# Allegro board SDHCalFEB.brd (continued)
## Routing (per net, layer and track width the routed paths; a pad name or vN(x,y) marks a point on that pad's centre or on a via; arc(x,y) is an arc through that point) (continued)
ESD_SIGNAL21_ASIC_D2: length 3.1
  TOP w0.127: U866.3 182.28,69.74 R1104.2 183.77,71.27 C1152.1
ESD_SIGNAL21_ASIC_D3: length 3.1
  TOP w0.127: C1239.1 103.76,71.32 R1187.2 102.27,69.79 U931.3
ESD_SIGNAL21_ASIC_D4: length 3.1
  TOP w0.127: C1326.1 30.88,69.52 R1270.2 29.4,67.98 U996.3
ESD_SIGNAL22_ASIC_A1: length 3.1
  TOP w0.127: C22.1 R22.2 320.68,314.42 320.68,314.42 U22.3
ESD_SIGNAL22_ASIC_A2: length 3.1
  TOP w0.127: R106.2 240.97,313.66 240.98,313.65 C109.1 241.58,314.29 241.56,314.3 U87.3
ESD_SIGNAL22_ASIC_A3: length 3.1
  TOP w0.127: U152.3 162.31,315.31 C196.1 162.3,313.72 R189.2
ESD_SIGNAL22_ASIC_A4: length 3
  TOP w0.127: R272.2 24.75,320.53 C283.1 25.51,319.05 25.51,319.05 U217.3
ESD_SIGNAL22_ASIC_B1: length 3.1
  TOP w0.127: C370.1 322.69,233.74 R355.2 321.21,235.33 U282.3
ESD_SIGNAL22_ASIC_B5: length 3.1
  TOP w0.127: U347.3 240.77,233.74 R439.2 242.25,233.74 C457.1
ESD_SIGNAL22_ASIC_B6: length 3.1
  TOP w0.127: R522.2 161.93,233.71 161.94,233.73 C544.1 162.53,234.36 162.54,234.37 U412.3
ESD_SIGNAL22_ASIC_B7: length 3.1
  TOP w0.127: R605.2 81.32,233.71 81.33,233.7 C631.1 82.22,234.34 82.22,234.34 U477.3
ESD_SIGNAL22_ASIC_C1: length 3.1
  TOP w0.127: U542.3 322.03,153.72 C718.1 322.01,153.73 R688.2
ESD_SIGNAL22_ASIC_C2: length 3.1
  TOP w0.127: R772.2 242.1,153.73 C805.1 242.12,153.72 U607.3
ESD_SIGNAL22_ASIC_C3: length 3.1
  TOP w0.127: R855.2 160.64,153.72 C892.1 162.13,153.72 U672.3
ESD_SIGNAL22_ASIC_C4: length 3
  TOP w0.127: U737.3 82.43,153.75 C979.1 80.94,153.74 R938.2
ESD_SIGNAL22_ASIC_D1: length 3
  TOP w0.127: C1066.1 320.5,73.72 ; 320.5,73.72 U802.3 ; 320.5,73.72 R1021.2
ESD_SIGNAL22_ASIC_D2: length 3.1
  TOP w0.127: U867.3 240.14,73.72 R1105.2 241.64,73.72 C1153.1
ESD_SIGNAL22_ASIC_D3: length 3
  TOP w0.127: R1188.2 161.3,73.72 C1240.1 161.29,73.73 U932.3
ESD_SIGNAL22_ASIC_D4: length 3
  TOP w0.127: U997.3 79.94,73.72 R1271.2 79.95,73.71 C1327.1
ESD_SIGNAL23_ASIC_A1: length 3
  TOP w0.127: C23.1 324.76,309.91 324.77,309.92 R23.2 325.62,310.71 325.62,310.71 U23.3
ESD_SIGNAL23_ASIC_A2: length 3.2
  TOP w0.127: U88.3 245.63,311.6 244.78,310.74 R107.2 C110.1
ESD_SIGNAL23_ASIC_A3: length 3.1
  TOP w0.127: C197.1 164.7,309.25 R190.2 166.26,310.72 U153.3
ESD_SIGNAL23_ASIC_A4: length 3.1
  TOP w0.127: R273.2 80.66,314.11 80.66,314.11 C284.1 80.02,313.26 80.02,313.26 U218.3
ESD_SIGNAL23_ASIC_B1: length 3.1
  TOP w0.127: C371.1 325.05,229.25 R356.2 326.64,230.73 U283.3
ESD_SIGNAL23_ASIC_B5: length 3.1
  TOP w0.127: R440.2 246.22,230.73 C458.1 246.23,232.3 U348.3
ESD_SIGNAL23_ASIC_B6: length 3.1
  TOP w0.127: R523.2 165.27,230.73 165.28,230.73 C545.1 166.19,232.33 U413.3
ESD_SIGNAL23_ASIC_B7: length 3.1
  TOP w0.127: U478.3 86.19,230.73 C632.1 84.7,230.73 R606.2
ESD_SIGNAL23_ASIC_C1: length 3.1
  TOP w0.127: R689.2 326.18,150.72 C719.1 326.19,150.72 U543.3
ESD_SIGNAL23_ASIC_C2: length 3
  TOP w0.127: R773.2 246.17,150.72 C806.1 246.18,152.27 246.18,152.27
ESD_SIGNAL23_ASIC_C3: length 3
  TOP w0.127: R856.2 164.71,150.72 C893.1 166.2,150.72 166.2,152.27
ESD_SIGNAL23_ASIC_C4: length 3
  TOP w0.127: R939.2 86.18,150.72 C980.1 86.19,150.72 86.19,152.27
ESD_SIGNAL23_ASIC_D1: length 3
  TOP w0.127: 326.19,70.71 326.18,70.71 R1022.2 ; 326.19,70.71 C1067.1 ; 326.19,70.71 U803.3
ESD_SIGNAL23_ASIC_D2: length 3.1
  TOP w0.127: U868.3 246.21,70.71 C1154.1 244.7,70.7 R1106.2
ESD_SIGNAL23_ASIC_D3: length 3
  TOP w0.127: R1189.2 164.69,70.7 C1241.1 166.17,70.71 U933.3
ESD_SIGNAL23_ASIC_D4: length 3
  TOP w0.127: R1272.2 84.7,70.71 C1328.1 86.19,70.71 U998.3
ESD_SIGNAL24_ASIC_A1: length 3.1
  TOP w0.127: C24.1 333.67,308.83 333.68,308.84 R24.2 334.27,309.67 334.28,309.67 U24.3
ESD_SIGNAL24_ASIC_A2: length 3.5
  TOP w0.127: U89.3 251.43,311.29 251.6,311.12 R108.2 C111.1
ESD_SIGNAL24_ASIC_A3: length 3.5
  TOP w0.127: U154.3 170.67,313.28 170.68,313.27 R191.2 170.68,312.08 170.68,312.07 C198.1
ESD_SIGNAL24_ASIC_A4: length 3.1
  TOP w0.127: C285.1 88.2,311.59 88.21,311.59 R274.2 88.21,312.79 88.22,312.8 U219.3
ESD_SIGNAL24_ASIC_B1: length 3.1
  TOP w0.127: C372.1 R357.2 334.28,229.68 334.28,229.69 U284.3
ESD_SIGNAL24_ASIC_B5: length 3.8
  TOP w0.127: C459.1 R441.2 252.09,231.44 U349.3
ESD_SIGNAL24_ASIC_B6: length 3.8
  TOP w0.127: C546.1 R524.2 171.08,231.41 171.09,231.42 U414.3
ESD_SIGNAL24_ASIC_B7: length 3.8
  TOP w0.127: U479.3 91.25,231.42 91.24,231.41 R607.2 C633.1
ESD_SIGNAL24_ASIC_C1: length 4.5
  TOP w0.127: U544.3 330.48,151.43 R690.2 330.48,148.57 C720.1
ESD_SIGNAL24_ASIC_C2: length 3.1
  TOP w0.127: U609.3 249.2,147.7 C807.1 249.2,149.2 R774.2
ESD_SIGNAL24_ASIC_C3: length 3.1
  TOP w0.127: U674.3 169.16,147.62 C894.1 169.17,149.15 R857.2
ESD_SIGNAL24_ASIC_C4: length 3
  TOP w0.127: C981.1 89.18,149.22 R940.2 90.67,150.76 U739.3
ESD_SIGNAL24_ASIC_D1: length 3
  TOP w0.127: U804.3 332.05,69.94 R1023.2 330.5,68.47 C1068.1
ESD_SIGNAL24_ASIC_D2: length 3.1
  TOP w0.127: U869.3 253.23,70.68 R1107.2 251.69,69.19 C1155.1
ESD_SIGNAL24_ASIC_D3: length 3.1
  TOP w0.127: U934.3 173.22,70.68 R1190.2 171.68,69.19 C1242.1
ESD_SIGNAL24_ASIC_D4: length 3
  TOP w0.127: U999.3 93.24,70.68 R1273.2 C1329.1
ESD_SIGNAL25_ASIC_A1: length 3.1
  TOP w0.127: U25.3 272.25,305.55 272.25,305.54 R25.2 273.75,305.54 273.76,305.55 C25.1
ESD_SIGNAL25_ASIC_A2: length 3.1
  TOP w0.127: C112.1 193.54,305.07 193.52,305.08 R109.2 192.06,305.08 192.05,305.09 U90.3
ESD_SIGNAL25_ASIC_A3: length 3.2
  TOP w0.127: C199.1 111.92,306.21 R192.2 111.38,306.22 111.13,305.97 U155.3
ESD_SIGNAL25_ASIC_A4: length 3
  TOP w0.127: U220.3 20.46,320.29 R275.2 21.95,318.81 C286.1
ESD_SIGNAL25_ASIC_B1: length 3.1
  TOP w0.127: U285.3 270.72,226.32 270.73,226.32 R358.2 271.92,226.32 271.93,226.34 C373.1
ESD_SIGNAL25_ASIC_B5: length 3.1
  TOP w0.127: U350.3 192.25,225.38 192.26,225.37 R442.2 193.45,225.37 193.45,225.37 C460.1
ESD_SIGNAL25_ASIC_B6: length 3.1
  TOP w0.127: U415.3 111.73,226.39 R525.2 113.22,226.4 C547.1
ESD_SIGNAL25_ASIC_B7: length 3
  TOP w0.127: R608.2 24.16,237.2 24.15,237.2 C634.1 24.79,236.6 24.79,236.6 U480.3
ESD_SIGNAL25_ASIC_C1: length 3.1
  TOP w0.127: U545.3 272.46,145.77 R691.2 273.95,145.78 C721.1
ESD_SIGNAL25_ASIC_C2: length 3.1
  TOP w0.127: U610.3 192.48,145.47 R775.2 192.49,145.46 C808.1
ESD_SIGNAL25_ASIC_C3: length 3.1
  TOP w0.127: C895.1 112.59,145.36 R858.2 111.03,145.37 U675.3
ESD_SIGNAL25_ASIC_C4: length 3
  TOP w0.127: R941.2 23.83,154.59 C982.1 23.83,154.58 U740.3
ESD_SIGNAL25_ASIC_D1: length 3.1
  TOP w0.127: U805.3 272.66,65.46 R1024.2 274.17,65.46 C1069.1
ESD_SIGNAL25_ASIC_D2: length 3.1
  TOP w0.127: C1156.1 192.31,65.42 R1108.2 192.3,65.41 U870.3
ESD_SIGNAL25_ASIC_D3: length 3
  TOP w0.127: C1243.1 112.53,65.44 R1191.2 111,65.44 U935.3
ESD_SIGNAL25_ASIC_D4: length 3
  TOP w0.127: R1274.2 30.67,63.75 C1330.1 32.16,63.75 U1000.3
ESD_SIGNAL26_ASIC_A1: length 3.2
  TOP w0.127: R26.2 277.09,302.18 277.88,301.39 U26.3 278.82,301.39 279.6,302.17 C26.1
ESD_SIGNAL26_ASIC_A2: length 3.4
  TOP w0.127: R110.2 198.02,301.22 U91.3 198.98,301.22 199.8,302.03 C113.1
ESD_SIGNAL26_ASIC_A3: length 3.1
  TOP w0.127: U156.3 115.82,302.4 115.82,302.4 R193.2 116.4,303 116.41,302.98 C200.1
ESD_SIGNAL26_ASIC_A4: length 3
  TOP w0.127: U221.3 27.19,307.72 R276.2 28.66,306.2 C287.1
ESD_SIGNAL26_ASIC_B1: length 3.3
  TOP w0.127: C374.1 277.19,222.17 U286.3 276.34,222.17 R359.2
ESD_SIGNAL26_ASIC_B5: length 3.2
  TOP w0.127: R443.2 195.71,222.23 196.5,221.44 U351.3 197.45,221.44 198.2,222.18 C461.1
ESD_SIGNAL26_ASIC_B6: length 3.6
  TOP w0.127: R526.2 116.47,221.54 U416.3 117.43,221.54 C548.1
ESD_SIGNAL26_ASIC_B7: length 3
  TOP w0.127: U481.3 20.74,238.1 20.75,238.12 R609.2 21.49,237.23 21.48,237.22 C635.1
ESD_SIGNAL26_ASIC_C1: length 3.3
  TOP w0.127: C722.1 277.25,141.15 U546.3 276.49,141.15 R692.2
ESD_SIGNAL26_ASIC_C2: length 3.3
  TOP w0.127: C809.1 197.29,141.48 U611.3 196.38,141.48 R776.2
ESD_SIGNAL26_ASIC_C3: length 3.2
  TOP w0.127: C896.1 117.33,141.48 U676.3 116.42,141.48 R859.2
ESD_SIGNAL26_ASIC_C4: length 3
  TOP w0.127: C983.1 21.13,154.56 R942.2 19.62,156.05 U741.3
ESD_SIGNAL26_ASIC_D1: length 3.2
  TOP w0.127: C1070.1 277.47,61.44 U806.3 276.54,61.44 R1025.2
ESD_SIGNAL26_ASIC_D2: length 3.2
  TOP w0.127: R1109.2 196.91,61.57 U871.3 197.79,61.57 C1157.1
ESD_SIGNAL26_ASIC_D3: length 3.2
  TOP w0.127: C1244.1 117.9,61.49 U936.3 117.03,61.49 R1192.2
ESD_SIGNAL26_ASIC_D4: length 3
  TOP w0.127: R1275.2 32.2,61.21 C1331.1 32.23,61.19 U1001.3
ESD_SIGNAL27_ASIC_A1: length 3.1
  TOP w0.127: R27.2 320.82,305.13 320.81,305.14 C27.1 320.81,306.41 320.81,306.41 U27.3
ESD_SIGNAL27_ASIC_A2: length 3.5
  TOP w0.127: U92.3 256.2,308.37 256.18,308.38 C114.1 R111.2
ESD_SIGNAL27_ASIC_A3: length 3.1
  TOP w0.127: R194.2 176.03,310.17 176.05,310.15 C201.1 176.05,307.62 U157.3
ESD_SIGNAL27_ASIC_A4: length 3.1
  TOP w0.127: U222.3 94.53,312.37 94.52,312.37 C288.1 93.69,312.97 93.7,312.98 R277.2
ESD_SIGNAL27_ASIC_B1: length 3.1
  TOP w0.127: U287.3 321.62,226.22 C375.1 321.61,226.21 R360.2
ESD_SIGNAL27_ASIC_B5: length 5.1
  TOP w0.127: U352.3 255.97,234.32 255.98,234.31 R444.2 256.57,231.37 256.59,231.36 C462.1
ESD_SIGNAL27_ASIC_B6: length 3.1
  TOP w0.127: R527.2 176.02,233.78 176.03,233.78 C549.1 175.39,234.75 175.39,234.75 U417.3
ESD_SIGNAL27_ASIC_B7: length 5.4
  TOP w0.127: C636.1 96.52,234.04 96.52,234.04 R610.2 95.73,234.61 95.72,234.6 U482.3
ESD_SIGNAL27_ASIC_C1: length 3
  TOP w0.127: U547.3 325.3,144.67 325.31,144.66 ; 325.31,144.66 R693.2 ; 325.31,144.66 C723.1
ESD_SIGNAL27_ASIC_C2: length 3
  TOP w0.127: C810.1 254.76,152.1 R777.2 253.23,153.58 U612.3
ESD_SIGNAL27_ASIC_C3: length 3.9
  TOP w0.127: C897.1 175.11,150.8 R860.2 173.57,153.13 U677.3
ESD_SIGNAL27_ASIC_C4: length 4.3
  TOP w0.127: U742.3 93.54,154.96 R943.2 95.05,152.8 95.04,152.79 C984.1
ESD_SIGNAL27_ASIC_D1: length 3.1
  TOP w0.127: R1026.2 324.51,66.12 C1071.1 326.08,66.11 U807.3
ESD_SIGNAL27_ASIC_D2: length 3.1
  TOP w0.127: C1158.1 248.38,66.73 R1110.2 249.92,66.72 U872.3
ESD_SIGNAL27_ASIC_D3: length 3.1
  TOP w0.127: U937.3 168.77,66.79 R1193.2 165.73,66.79 C1245.1
ESD_SIGNAL27_ASIC_D4: length 3.1
  TOP w0.127: U1002.3 86.78,66.75 R1276.2 85.27,66.76 C1332.1
ESD_SIGNAL28_ASIC_A1: length 3.1
  TOP w0.127: C28.1 R28.2 324.57,301.42 324.57,301.41 U28.3
ESD_SIGNAL28_ASIC_A2: length 3.3
  TOP w0.127: U93.3 243.69,305.5 243.67,305.51 C115.1 R112.2
ESD_SIGNAL28_ASIC_A3: length 3.4
  TOP w0.127: C202.1 R195.2 159.87,305.44 U158.3
ESD_SIGNAL28_ASIC_A4: length 3.2
  TOP w0.127: C289.1 81.59,303.25 81.6,303.26 R278.2 82.19,303.83 82.2,303.83 U223.3
ESD_SIGNAL28_ASIC_B1: length 3.1
  TOP w0.127: C376.1 323.05,221.39 323.06,221.4 R361.2 324.55,221.4 324.55,221.41 U288.3
ESD_SIGNAL28_ASIC_B5: length 4.7
  TOP w0.127: U353.3 245.19,226.32 244.71,225.84 C463.1 243.92,223.57 243.93,223.56 R445.2
ESD_SIGNAL28_ASIC_B6: length 4.2
  TOP w0.127: R528.2 C550.1 163.91,227.15 U418.3
ESD_SIGNAL28_ASIC_B7: length 4
  TOP w0.127: R611.2 C637.1 85.49,225.45 U483.3
ESD_SIGNAL28_ASIC_C1: length 3.1
  TOP w0.127: C724.1 323.15,140.68 R694.2 324.64,140.69 U548.3
ESD_SIGNAL28_ASIC_C2: length 3.7
  TOP w0.127: U613.3 244.63,147.44 C811.1 R778.2
ESD_SIGNAL28_ASIC_C3: length 4.2
  TOP w0.127: U678.3 165.44,142.99 R861.2 C898.1
ESD_SIGNAL28_ASIC_C4: length 4
  TOP w0.127: U743.3 82.2,145.63 C985.1 R944.2
ESD_SIGNAL28_ASIC_D1: length 3.1
  TOP w0.127: U808.3 326.21,60.7 R1027.2 324.64,59.21 C1072.1
ESD_SIGNAL28_ASIC_D2: length 3.1
  TOP w0.127: U873.3 242.37,63.02 C1159.1 243.89,63 R1111.2
ESD_SIGNAL28_ASIC_D3: length 3.1
  TOP w0.127: C1246.1 163.9,62.98 R1194.2 165.44,62.98 U938.3
ESD_SIGNAL28_ASIC_D4: length 3.1
  TOP w0.127: U1003.3 85.43,62.98 R1277.2 83.89,62.97 C1333.1
ESD_SIGNAL29_ASIC_A1: length 3.1
  TOP w0.127: U29.3 331.32,300.68 R29.2 329.71,299.84 329.7,299.83 C29.1
ESD_SIGNAL29_ASIC_A2: length 3.6
  TOP w0.127: U94.3 250.8,306.9 251.42,306.27 C116.1 R113.2
ESD_SIGNAL29_ASIC_A3: length 3.7
  TOP w0.127: U159.3 167.75,305.49 C203.1 R196.2
ESD_SIGNAL29_ASIC_A4: length 4
  TOP w0.127: R279.2 C290.1 92.2,306.24 92.21,306.24 U224.3
ESD_SIGNAL29_ASIC_B1: length 3.1
  TOP w0.127: C377.1 R362.2 330.31,220.67 330.32,220.67 U289.3
ESD_SIGNAL29_ASIC_B5: length 4.4
  TOP w0.127: U354.3 251.1,225.75 251.09,225.76 C464.1 250.49,223.57 250.49,223.56 R446.2
ESD_SIGNAL29_ASIC_B6: length 4.2
  TOP w0.127: R529.2 C551.1 171.28,225.58 171.28,225.57 U419.3
ESD_SIGNAL29_ASIC_B7: length 4.1
  TOP w0.127: R612.2 C638.1 93.93,226.09 93.93,226.09 U484.3
ESD_SIGNAL29_ASIC_C1: length 3.1
  TOP w0.127: R695.2 334.64,140.69 C725.1 333.14,140.69 U549.3
ESD_SIGNAL29_ASIC_C2: length 3.8
  TOP w0.127: U614.3 253.07,143.72 R779.2 C812.1
ESD_SIGNAL29_ASIC_C3: length 4.1
  TOP w0.127: U679.3 172.34,142.99 R862.2 C899.1
ESD_SIGNAL29_ASIC_C4: length 3.9
  TOP w0.127: U744.3 90.66,143.21 R945.2 C986.1
ESD_SIGNAL29_ASIC_D1: length 3.1
  TOP w0.127: C1073.1 330.69,58.24 R1028.2 333.73,58.24 U809.3
ESD_SIGNAL29_ASIC_D2: length 3
  TOP w0.127: U874.3 252.03,62.98 R1112.2 250.49,62.98 C1160.1
ESD_SIGNAL29_ASIC_D3: length 3.1
  TOP w0.127: U939.3 172.43,62.99 R1195.2 170.92,63 C1247.1
ESD_SIGNAL29_ASIC_D4: length 3
  TOP w0.127: C1334.1 92.42,63 R1278.2 93.95,62.99 U1004.3
ESD_SIGNAL30_ASIC_A1: length 2.9
  TOP w0.127: C30.1 269.1,300.63 269.11,300.63 R30.2 269.11,301.86 U30.3
ESD_SIGNAL30_ASIC_A2: length 3.3
  TOP w0.127: C117.1 R114.2 188.16,302.98 187.66,303.49 U95.3
ESD_SIGNAL30_ASIC_A3: length 3.6
  TOP w0.127: C204.1 R197.2 108.2,303.05 107.67,303.58 U160.3
ESD_SIGNAL30_ASIC_B1: length 3.1
  TOP w0.127: C378.1 269.16,219.75 R363.2 267.54,221.23 U290.3
ESD_SIGNAL30_ASIC_B5: length 3.2
  TOP w0.127: U355.3 187.73,223.42 188.21,222.94 R447.2 C465.1
ESD_SIGNAL30_ASIC_B6: length 3.4
  TOP w0.127: U420.3 107.57,223.47 108.22,222.82 R530.2 108.22,220.71 C552.1
ESD_SIGNAL30_ASIC_C1: length 3.4
  TOP w0.127: C726.1 268.25,142.18 R696.2 268.24,142.93 267.71,143.46 U550.3
ESD_SIGNAL30_ASIC_C2: length 3.3
  TOP w0.127: C813.1 188.23,140.7 R780.2 188.23,142.96 187.73,143.46 U615.3
ESD_SIGNAL30_ASIC_C3: length 3.3
  TOP w0.127: C900.1 108.25,140.72 R863.2 108.25,143.06 107.82,143.49 U680.3
ESD_SIGNAL30_ASIC_D1: length 3.3
  TOP w0.127: U810.3 267.79,63.43 268.25,62.97 R1029.2 268.25,60.7 C1074.1
ESD_SIGNAL30_ASIC_D2: length 3.3
  TOP w0.127: U875.3 187.78,63.45 188.23,63 R1113.2 188.23,60.7 C1161.1
ESD_SIGNAL30_ASIC_D3: length 3.3
  TOP w0.127: U940.3 107.82,63.45 108.25,63.03 R1196.2 108.25,60.71 C1248.1
ESD_SIGNAL31_ASIC_A1: length 3.1
  TOP w0.127: U31.3 263.99,303.31 263.99,303.31 C31.1 264.77,303.91 264.77,303.92 R31.2
ESD_SIGNAL31_ASIC_A2: length 3.2
  TOP w0.127: R115.2 C118.1 181.06,303.26 180.71,303.62 U96.3
ESD_SIGNAL31_ASIC_A3: length 3.1
  TOP w0.127: C205.1 100.05,304.67 R198.2 98.43,304.67 U161.3
ESD_SIGNAL31_ASIC_A4: length 3
  TOP w0.127: 27.99,300.36 28,300.35 R281.2 29.48,298.83 C292.1
ESD_SIGNAL31_ASIC_B1: length 3.1
  TOP w0.127: C379.1 262.56,223.82 262.56,223.83 R364.2 263.38,224.4 263.39,224.4 U291.3
ESD_SIGNAL31_ASIC_B5: length 3.1
  TOP w0.127: C466.1 181.28,224.82 R448.2 180.43,224.84 180.43,224.84 U356.3
ESD_SIGNAL31_ASIC_B6: length 3.2
  TOP w0.127: U421.3 100.47,224.95 100.48,224.96 R531.2 C553.1
ESD_SIGNAL31_ASIC_B7: length 3.1
  TOP w0.127: U486.3 25.71,218.8 R614.2 25.72,218.79 C640.1
ESD_SIGNAL31_ASIC_C1: length 3.3
  TOP w0.127: U551.3 261.51,144.89 R697.2 C727.1
ESD_SIGNAL31_ASIC_C2: length 3
  TOP w0.127: C814.1 R781.2 179.72,144.77 U616.3
ESD_SIGNAL31_ASIC_C3: length 3
  TOP w0.127: C901.1 R864.2 99.63,144.92 U681.3
ESD_SIGNAL31_ASIC_C4: length 3
  TOP w0.127: C988.1 28.06,138.84 R947.2 26.57,138.84 U746.3
ESD_SIGNAL31_ASIC_D1: length 3
  TOP w0.127: U811.3 261.45,64.88 R1030.2 C1075.1
ESD_SIGNAL31_ASIC_D2: length 3.1
  TOP w0.127: U876.3 179.94,64.67 R1114.2 C1162.1
ESD_SIGNAL31_ASIC_D3: length 3
  TOP w0.127: C1249.1 R1197.2 101.46,64.77 U941.3
ESD_SIGNAL31_ASIC_D4: length 3
  TOP w0.127: C1336.1 30.7,55.07 R1280.2 29.21,55.07 U1006.3
ESD_SIGNAL32_ASIC_A1: length 3.1
  TOP w0.127: C32.1 263.54,298.95 263.53,298.95 R32.2 262.34,298.95 262.33,298.97 U32.3
ESD_SIGNAL32_ASIC_A2: length 3.2
  TOP w0.127: U97.3 182.25,299.07 182.36,298.96 R116.2 184.44,298.96 C119.1
ESD_SIGNAL32_ASIC_A3: length 3.2
  TOP w0.127: U162.3 100.71,299.29 101.04,298.96 R199.2 102.34,298.96 102.35,298.97 C206.1
ESD_SIGNAL32_ASIC_B1: length 3.1
  TOP w0.127: U292.3 258.15,220.69 R365.2 C380.1
ESD_SIGNAL32_ASIC_B5: length 3.1
  TOP w0.127: C467.1 184.43,218.95 R449.2 182.94,218.95 U357.3
ESD_SIGNAL32_ASIC_B6: length 3.1
  TOP w0.127: C554.1 104.44,218.96 R532.2 101.38,218.96 U422.3
ESD_SIGNAL32_ASIC_C1: length 3.1
  TOP w0.127: C728.1 262.95,138.98 R698.2 261.4,138.98 U552.3
ESD_SIGNAL32_ASIC_C2: length 3.1
  TOP w0.127: C815.1 182.95,138.96 R782.2 181.39,138.98 U617.3
ESD_SIGNAL32_ASIC_C3: length 3.1
  TOP w0.127: U682.3 101.41,138.98 R865.2 104.44,138.98 C902.1
ESD_SIGNAL32_ASIC_D1: length 3
  TOP w0.127: C1076.1 264.44,58.98 R1031.2 261.42,58.98 U812.3
ESD_SIGNAL32_ASIC_D2: length 3
  TOP w0.127: C1163.1 184.43,58.98 R1115.2 181.41,58.98 U877.3
ESD_SIGNAL32_ASIC_D3: length 3
  TOP w0.127: C1250.1 104.44,58.98 R1198.2 101.43,58.98 U942.3
ESD_SIGNAL33_ASIC_A1: length 3.1
  TOP w0.127: C33.1 R33.2 261.35,296.22 261.35,296.22 U33.3
ESD_SIGNAL33_ASIC_A2: length 3.1
  TOP w0.127: U98.3 180.58,296.24 R117.2 183.68,296.24 C120.1
ESD_SIGNAL33_ASIC_A3: length 3.1
  TOP w0.127: U163.3 100.61,296.47 R200.2 103.67,296.47 C207.1
ESD_SIGNAL33_ASIC_B1: length 3.1
  TOP w0.127: U293.3 258.93,216.82 R366.2 260.52,216.86 C381.1
ESD_SIGNAL33_ASIC_B5: length 3.1
  TOP w0.127: C468.1 183.1,216.18 183.09,216.18 R450.2 181.61,216.18 181.61,216.18 U358.3
ESD_SIGNAL33_ASIC_B6: length 3.1
  TOP w0.127: U423.3 101.46,216.18 101.61,216.34 R533.2 103.67,216.34 C555.1
ESD_SIGNAL33_ASIC_C1: length 3.1
  TOP w0.127: C729.1 263.69,136.18 R699.2 262.2,136.17 U553.3
ESD_SIGNAL33_ASIC_C2: length 3.1
  TOP w0.127: C816.1 183.68,136.15 R783.2 180.65,136.15 U618.3
ESD_SIGNAL33_ASIC_C3: length 3.1
  TOP w0.127: C903.1 102.2,136.17 R866.2 100.64,136.15 U683.3
ESD_SIGNAL33_ASIC_D1: length 3.1
  TOP w0.127: U813.3 262.14,56.2 C1077.1 263.66,54.69 R1032.2
ESD_SIGNAL33_ASIC_D2: length 3.1
  TOP w0.127: U878.3 183.69,56.19 C1164.1 183.69,54.7 R1116.2
ESD_SIGNAL33_ASIC_D3: length 3
  TOP w0.127: U943.3 102.14,54.69 R1199.2 103.68,54.7 C1251.1
ESD_SIGNAL34_ASIC_A1: length 3.1
  TOP w0.127: R34.2 262.18,290.08 262.19,290.09 C34.1 261.55,291 261.55,290.99 U34.3
ESD_SIGNAL34_ASIC_A2: length 3
  TOP w0.127: U99.3 181.47,289.24 181.48,289.23 R118.2 182.22,290.04 182.21,290.06 C121.1
ESD_SIGNAL34_ASIC_A3: length 3.1
  TOP w0.127: R201.2 102.18,290.85 C208.1 100.56,290.86 U164.3
ESD_SIGNAL34_ASIC_A4: length 3
  TOP w0.127: U229.3 28.01,295.63 28.02,295.64 R284.2 28.91,296.24 28.92,296.23 C295.1
ESD_SIGNAL34_ASIC_B1: length 3.3
  TOP w0.127: U294.3 257.86,210.95 C382.1 259.59,209.38 R367.2
ESD_SIGNAL34_ASIC_B5: length 3.1
  TOP w0.127: U359.3 180.6,210.97 C469.1 182.2,209.49 R451.2
ESD_SIGNAL34_ASIC_B6: length 3.1
  TOP w0.127: U424.3 100.89,211.15 C556.1 102.47,209.64 R534.2
ESD_SIGNAL34_ASIC_B7: length 3
  TOP w0.127: C643.1 27.35,216.15 R617.2 25.88,216.14 U489.3
ESD_SIGNAL34_ASIC_C1: length 3
  TOP w0.127: U554.3 260.68,129.29 R700.2 262.23,130.78 C730.1
ESD_SIGNAL34_ASIC_C2: length 3
  TOP w0.127: U619.3 180.78,130.78 C817.1 182.33,129.3 R784.2
ESD_SIGNAL34_ASIC_C3: length 3.2
  TOP w0.127: U684.3 100.67,129.22 R867.2 102.21,129.22 C904.1
ESD_SIGNAL34_ASIC_C4: length 3.1
  TOP w0.127: U749.3 26.78,134.63 R950.2 28.27,136.19 C991.1
ESD_SIGNAL35_ASIC_A1: length 3.3
  TOP w0.127: C35.1 266.48,293.07 266.49,293.06 R35.2 266.49,291.47 266.01,290.99 U35.3
ESD_SIGNAL35_ASIC_A2: length 3.1
  TOP w0.127: U100.3 187.2,292.19 187.21,292.18 R119.2 C122.1
ESD_SIGNAL35_ASIC_A3: length 3.2
  TOP w0.127: U165.3 106.67,292.18 106.68,292.2 R202.2 C209.1
ESD_SIGNAL35_ASIC_B1: length 3.5
  TOP w0.127: C383.1 264.72,213.05 264.71,213.04 R368.2 264.71,211.32 264.13,210.75 U295.3
ESD_SIGNAL35_ASIC_B5: length 3.2
  TOP w0.127: U360.3 187.31,212.2 187.32,212.21 R452.2 C470.1
ESD_SIGNAL35_ASIC_B6: length 3.1
  TOP w0.127: U425.3 106.61,212.19 R535.2 108.2,213.68 C557.1
ESD_SIGNAL35_ASIC_C1: length 3.1
  TOP w0.127: U555.3 266.63,132.21 R701.2 268.24,133.71 C731.1
ESD_SIGNAL35_ASIC_C2: length 3.1
  TOP w0.127: C818.1 188.24,132.2 R785.2 188.23,132.19 U620.3
ESD_SIGNAL35_ASIC_C3: length 3
  TOP w0.127: U685.3 106.71,132.21 R868.2 108.23,132.22 C905.1
ESD_SIGNAL35_ASIC_D1: length 3.1
  TOP w0.127: C1079.1 271.27,53.72 R1034.2 269.76,53.72 U815.3
ESD_SIGNAL35_ASIC_D2: length 3
  TOP w0.127: C1166.1 189.79,53.73 R1118.2 188.24,53.72 U880.3
ESD_SIGNAL35_ASIC_D3: length 3.1
  TOP w0.127: U945.3 108.23,53.72 R1201.2 109.77,53.72 C1253.1
ESD_SIGNAL35_ASIC_D4: length 3
  TOP w0.127: C1340.1 30.67,52.46 R1284.2 29.18,52.46 U1010.3
ESD_SIGNAL36_ASIC_A1: length 3.1
  TOP w0.127: U36.3 269.46,289.31 269.46,289.31 R36.2 270.92,289.31 270.93,289.32 C36.1
ESD_SIGNAL36_ASIC_A2: length 3.1
  TOP w0.127: U101.3 189.12,288.23 189.13,288.24 R120.2 C123.1
ESD_SIGNAL36_ASIC_A3: length 3
  TOP w0.127: C210.1 R203.2 108.7,288.04 108.7,288.04 U166.3
ESD_SIGNAL36_ASIC_A4: length 3
  TOP w0.127: U231.3 20.79,280.29 C297.1 20.79,278.81 R286.2
ESD_SIGNAL36_ASIC_B1: length 3.1
  TOP w0.127: R369.2 C384.1 268.81,208.97 268.82,208.96 U296.3
ESD_SIGNAL36_ASIC_B5: length 3.1
  TOP w0.127: U361.3 189.12,209.27 189.12,209.27 R453.2 C471.1
ESD_SIGNAL36_ASIC_B6: length 3.1
  TOP w0.127: C558.1 111.47,209.36 R536.2 108.43,209.36 U426.3
ESD_SIGNAL36_ASIC_B7: length 3
  TOP w0.127: C645.1 21.24,196.2 R619.2 21.23,196.19 U491.3
ESD_SIGNAL36_ASIC_C1: length 3.1
  TOP w0.127: C732.1 270.14,129.24 R702.2 270.12,129.24 U556.3
ESD_SIGNAL36_ASIC_C2: length 3.1
  TOP w0.127: C819.1 189.98,129.18 R786.2 188.42,129.19 U621.3
ESD_SIGNAL36_ASIC_C3: length 3.1
  TOP w0.127: C906.1 111.48,129.24 R869.2 109.98,129.24 U686.3
ESD_SIGNAL36_ASIC_C4: length 3
  TOP w0.127: U751.3 21.84,118.29 C993.1 21.85,116.8 R952.2
ESD_SIGNAL37_ASIC_A1: length 3.1
  TOP w0.127: U37.3 331.18,291.6 331.19,291.61 R37.2 C37.1
ESD_SIGNAL37_ASIC_A2: length 3.1
  TOP w0.127: U102.3 251.17,291.59 251.16,291.6 R121.2 251.16,292.8 251.14,292.81 C124.1
ESD_SIGNAL37_ASIC_A3: length 3.4
  TOP w0.127: R204.2 172.21,296.27 C211.1 173.78,298.08 U167.3
ESD_SIGNAL37_ASIC_A4: length 3.2
  TOP w0.127: C298.1 91.25,296.21 91.26,296.22 R287.2 92.8,296.22 92.81,296.24 U232.3
ESD_SIGNAL37_ASIC_B1: length 3.1
  TOP w0.127: U297.3 331.3,213.72 R370.2 329.72,215.21 C385.1
ESD_SIGNAL37_ASIC_B5: length 4.5
  TOP w0.127: R454.2 253.72,212.29 253.72,212.29 C472.1 253.09,214.63 253.09,214.63 U362.3
ESD_SIGNAL37_ASIC_B6: length 3.5
  TOP w0.127: C559.1 176.23,212.82 176.23,212.81 R537.2 176.23,211.4 176.22,211.39 U427.3
ESD_SIGNAL37_ASIC_B7: length 3.5
  TOP w0.127: R620.2 95.12,215.63 U492.3 95.12,216.08 C646.1
ESD_SIGNAL37_ASIC_C1: length 3.1
  TOP w0.127: C733.1 330.66,134.69 R703.2 330.67,133.13 U557.3
ESD_SIGNAL37_ASIC_C2: length 6
  TOP w0.127: C820.1 R787.2 253.84,133.71 253.83,133.71 U622.3
ESD_SIGNAL37_ASIC_C3: length 5.7
  TOP w0.127: U687.3 173.11,133.71 R870.2 C907.1
ESD_SIGNAL37_ASIC_C4: length 3
  TOP w0.127: U752.3 93.14,135.25 C994.1 94.64,133.71 R953.2
ESD_SIGNAL38_ASIC_A1: length 3.1
  TOP w0.127: C38.1 322.33,295.54 322.34,295.53 R38.2 323.54,295.53 323.55,295.52 U38.3
ESD_SIGNAL38_ASIC_A2: length 3.1
  TOP w0.127: U103.3 242.94,296.06 242.95,296.05 R122.2 C125.1
ESD_SIGNAL38_ASIC_A3: length 4.2
  TOP w0.127: U168.3 164.51,295.45 R205.2 162.94,298.08 C212.1
ESD_SIGNAL38_ASIC_A4: length 3.1
  TOP w0.127: U233.3 83.78,296.17 R288.2 82.19,296.16 C299.1
ESD_SIGNAL38_ASIC_B1: length 3.1
  TOP w0.127: U298.3 322.2,216.74 322.2,216.73 R371.2 321.33,216.16 321.32,216.16 C386.1
ESD_SIGNAL38_ASIC_B5: length 3.1
  TOP w0.127: U363.3 243.06,213.72 R455.2 C473.1
ESD_SIGNAL38_ASIC_B6: length 3.6
  TOP w0.127: R538.2 166.18,212.81 166.14,212.85 C560.1 166.14,214.79 166.15,214.79 U428.3
ESD_SIGNAL38_ASIC_B7: length 3.5
  TOP w0.127: R621.2 83.97,216.48 C647.1 84.77,216.48 84.77,216.48 U493.3
ESD_SIGNAL38_ASIC_C1: length 3.1
  TOP w0.127: U558.3 324.64,133.72 R704.2 324.63,133.71 C734.1
ESD_SIGNAL38_ASIC_C2: length 5.9
  TOP w0.127: R788.2 C821.1 243.32,138.08 243.33,138.07 U623.3
ESD_SIGNAL38_ASIC_C3: length 5.8
  TOP w0.127: U688.3 164.25,137.9 C908.1 R871.2
ESD_SIGNAL38_ASIC_C4: length 3.1
  TOP w0.127: R954.2 84.61,133.75 C995.1 84.61,135.24 U753.3
ESD_SIGNAL39_ASIC_A1: length 3.1
  TOP w0.127: U39.3 324.08,290.11 C39.1 327.19,290.11 R39.2
ESD_SIGNAL39_ASIC_A2: length 3.5
  TOP w0.127: R123.2 C126.1 246.93,290.45 247.48,289.89 U104.3
ESD_SIGNAL39_ASIC_A3: length 3.2
  TOP w0.127: U169.3 168.58,293.77 R206.2 170.12,292.18 C213.1
ESD_SIGNAL39_ASIC_A4: length 3
  TOP w0.127: R289.2 88.2,293 88.19,293.01 C300.1 88.19,294.45 88.19,294.45 U234.3
ESD_SIGNAL39_ASIC_B1: length 3.1
  TOP w0.127: R372.2 325.09,209.01 C387.1 325.09,212.09 U299.3